# Allegro board MinnowMax_RevA1.brd (continued)
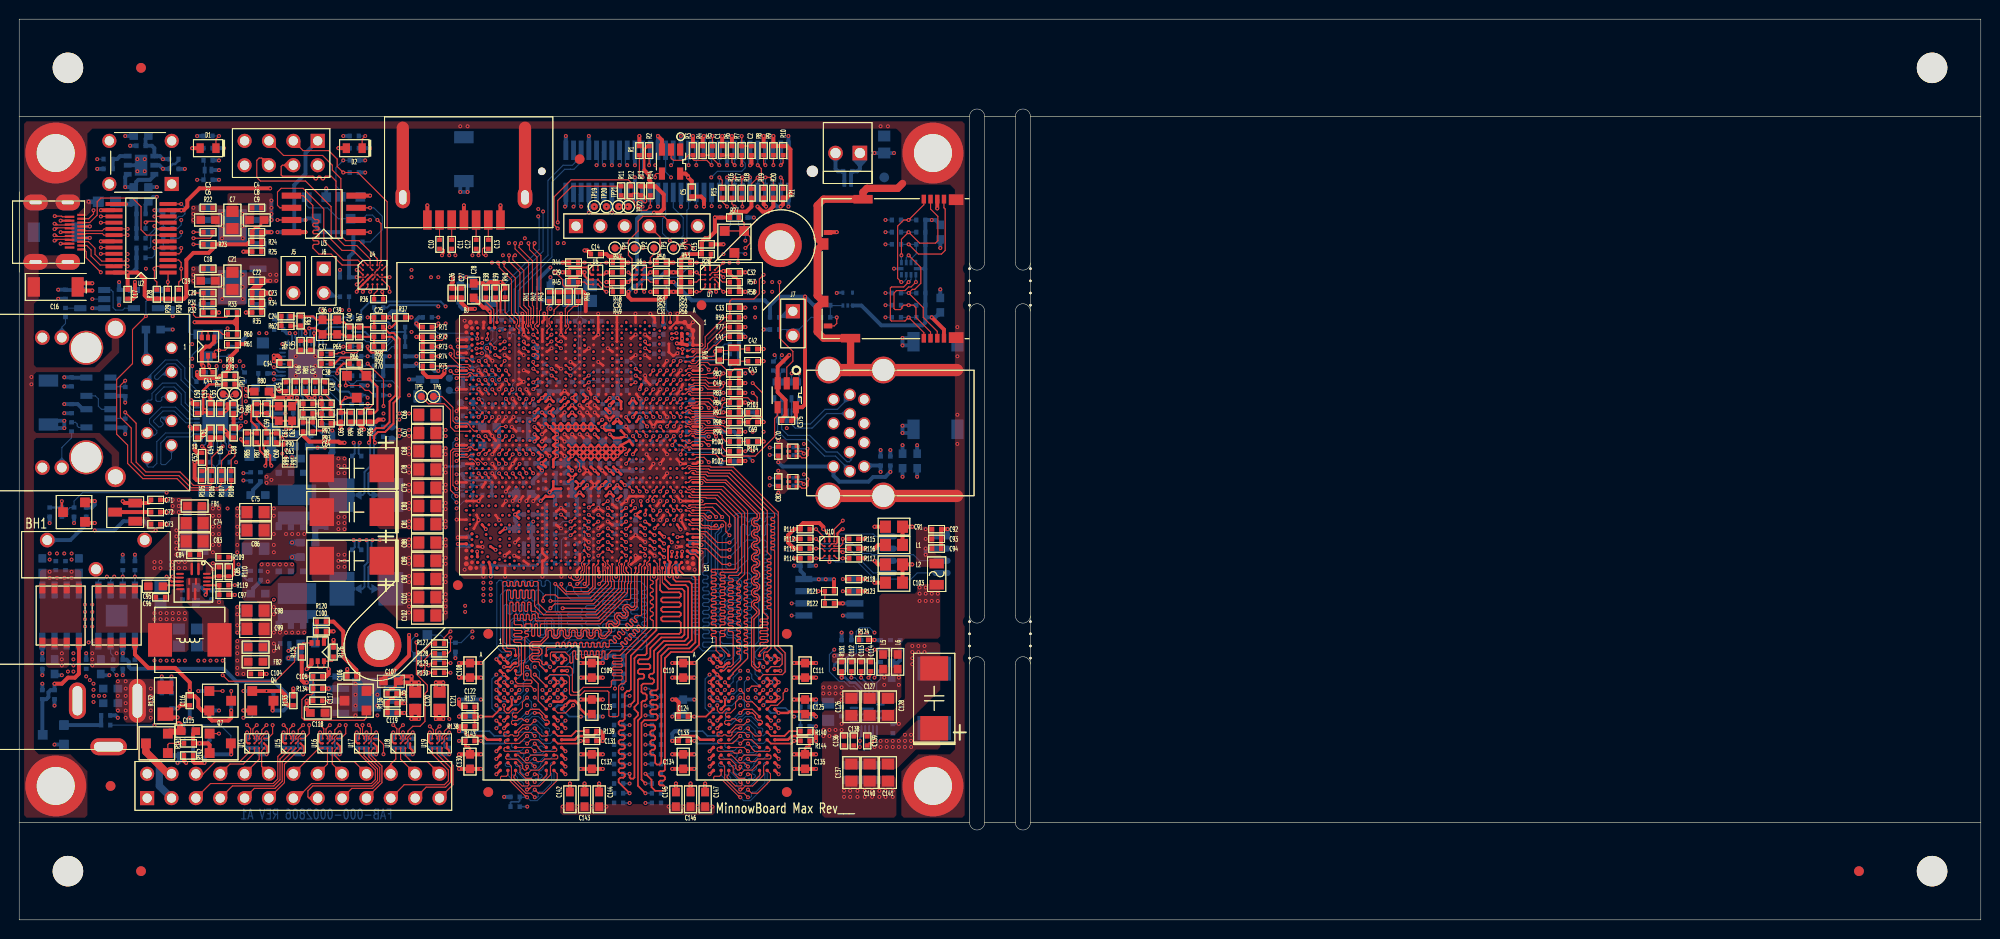
[diagram p0: board, top side]
## Copper pours and planes (outline as drawn; the poured copper is in the pictures) (continued)
+USBVCC on INT4(H): 94.74,41.4 83.82,41.4 83.57,41.15 83.57,39.37 83.82,39.12 93.22,39.12 93.47,38.86 93.47,38.1 93.73,37.85 94.74,37.85 95,38.1 95,41.15
+VCORE on TOP: 39.5,31.24 41.91,31.24 42.16,31.5 42.16,39.62 41.91,39.88 37.59,39.88 37.34,39.62 37.34,33.4
+VCORE on BOTTOM: 58.42,47.5 58.29,47.62 58.29,50.04 58.42,50.17 61.59,50.17 61.72,50.04 61.72,47.62 61.59,47.5 61.47,47.5 61.34,47.62 61.34,48.01 61.21,48.13 59.94,48.13 59.82,48.01 59.82,47.62 59.69,47.5
+VCORE on BOTTOM: 41.91,31.24 42.16,31.5 42.16,39.62 41.91,39.88 38.35,39.88 38.1,39.62 38.1,32.64 39.5,31.24
+VCORE on PWR5: 46.99,32 46.99,35.81 49.78,38.61 54.36,38.61 63.5,47.75 63.5,49.28 63.25,49.53 57.15,49.53 56.9,49.28 56.9,47.88 54.23,45.21 48.01,45.21 42.8,40.01 37.34,40.01 37.08,39.75 37.08,35.31 40.64,31.75 46.74,31.75
+VDIMM on TOP: 35.31,24.64 35.05,24.89 32.89,24.89 32.64,24.64 32.64,22.73 32.38,22.48 31.62,22.48 31.5,22.35 31.5,21.21 31.62,21.08 35.05,21.08 35.31,21.34
+VDIMM on TOP: 85.85,15.75 85.72,15.88 85.72,18.16 85.85,18.29 87.12,18.29 87.25,18.16 87.25,17.91 87.5,17.65 88.65,17.65 88.9,17.91 88.9,18.03 89.15,18.29 89.28,18.29 89.53,18.54 89.79,18.92 91.69,18.92 93.6,20.83 95.76,20.83 96.01,20.57 96.01,18.03 95.76,17.78 93.47,17.78 91.44,15.75
+VDIMM on BOTTOM: 96.01,18.03 95.76,17.78 93.47,17.78 91.44,15.75 89.03,15.75 88.9,15.88 88.9,16.64 88.35,17.18 88.35,18.81 88.49,18.95 88.49,20.07 88.72,20.04 88.72,18.59 88.98,18.34 89.31,18.34 89.51,18.54 89.51,18.8 89.64,18.92 91.44,18.92 93.34,20.83 95.76,20.83 96.01,20.57
+VDIMM on BOTTOM: 31.5,21.72 31.5,21.08 31.75,20.83 37.34,20.83 37.59,21.08 37.59,24.89 37.47,25.02 34.92,25.02 34.8,24.89 34.8,21.97 34.67,21.84 31.62,21.84
+VDIMM on INT3(V): 54.61,44.96 51.05,44.96 45.21,39.12 45.21,33.15 45.47,32.89 49.4,32.89 54.86,38.35 54.86,44.7
+VDIMM on PWR5: 91.19,10.67 91.44,10.92 91.44,15.75 93.47,17.78 96.77,17.78 97.03,18.03 97.03,30.23 96.77,30.48 80.26,30.48 79.76,30.99 79.76,42.67 79.76,46.99 79.5,47.24 63.75,47.24 54.61,38.1 50.04,38.1 47.5,35.56 47.5,31.75 46.99,31.24 45.21,31.24 44.96,30.99 44.96,20.57 44.58,20.19 38.23,20.19 37.85,20.57 37.85,24.64 37.59,24.89 29.97,24.89 29.72,24.64 29.72,10.67 ; 1 cut-out
+VDIMM_VTT on TOP: 72.26,12.06 72.52,11.81 72.52,11.18 72.26,10.92 56.64,10.92 56.39,11.18 56.39,11.81 56.64,12.06
+VDIMM_VTT on BOTTOM: 62.1,23.5 61.47,23.5 61.21,23.24 61.21,12.32 60.96,12.06 56.64,12.06 56.39,11.81 56.39,10.92 56.64,10.67 84.84,10.67 85.09,10.92 85.09,14.99 85.85,15.75 88.01,15.75 88.14,15.88 88.14,17.65 88.01,17.78 87.63,17.78 87.5,17.91 87.5,19.94 87.38,20.07 87.12,20.07 86.23,19.18 86.23,18.54 86.11,18.41 83.82,18.41 83.57,18.16 83.57,15.49 83.06,14.99 79.76,14.99 76.83,12.06 67.94,12.06 67.69,12.32 67.69,23.24 67.44,23.5 66.8,23.5 66.8,11.81 66.67,11.68 62.23,11.68 62.1,11.81
+VGFX on TOP: 37.59,40.77 41.91,40.77 42.16,41.02 42.16,53.09 42.04,53.21 41.15,53.09 41.15,50.67 40.39,50.67 39.75,50.04 38.23,50.04 37.34,49.15 37.34,41.02
+VGFX on BOTTOM: 38.35,40.77 41.91,40.77 42.16,41.02 42.16,49.15 41.91,49.4 38.35,49.4 38.1,49.15 38.1,41.02
+VGFX on PWR5: 56.39,48.13 56.39,49.4 56.9,49.91 60.2,49.91 60.45,50.17 60.45,52.83 60.2,53.09 56.9,53.09 56.26,52.45 40.64,52.45 37.08,48.89 37.08,40.77 37.34,40.51 42.55,40.51 47.75,45.72 53.98,45.72
AUGND2 on GND2: 96.77,48.01 97.03,48.26 97.03,55.25 96.77,55.5 83.69,55.5 83.44,55.25 83.44,48.26 83.69,48.01
AUGND2 on GND6: 96.77,48.01 97.03,48.26 97.03,55.25 96.77,55.5 83.69,55.5 83.44,55.25 83.44,48.26 83.69,48.01
D5_0V_HDMI on TOP: 7.02,73.44 7.49,73.91 7.49,75.06 7.37,75.18 6.99,75.18 6.86,75.06 6.86,74.42 6.22,73.79 6.22,73.44
DC_IN_1 on TOP: 14.22,24.89 15.75,24.89 16,24.64 16,23.88 15.75,23.62 14.22,23.62 13.97,23.37 13.97,20.83 13.72,20.57 11.18,20.57 10.92,20.83 10.92,21.46 10.79,21.59 10.29,21.59 10.03,21.84 10.03,24.89 10.29,25.15 13.97,25.15
DC_IN_1 on BOTTOM: 10.03,21.72 11.18,20.57 13.72,20.57 13.97,20.83 13.97,22.35 14.22,22.61 15.88,22.61 16.13,22.86 16.13,23.62 15.88,23.88 14.22,23.88 13.97,24.13 13.97,24.89 13.72,25.15 10.29,25.15 10.03,24.89
DC_IN_1 on PWR5: 10.29,25.15 13.72,25.15 13.97,24.89 13.97,20.83 13.72,20.57 10.29,20.57 10.03,20.83 10.03,24.89
DC_IN_1 on INT7(H), INT8(V): 10.03,24.89 10.29,25.15 13.72,25.15 13.97,24.89 13.97,20.83 13.72,20.57 11.18,20.57 10.03,21.72
DDP_1V8 on INT3(V) (solid shape): 32.55,81.4 32.59,81.28 32.55,81.16 31.85,80.54 31.06,81.28 31.85,82.02
DDR3L_VIN on TOP: 89.92,26.42 89.66,26.16 89.66,25.15 89.41,24.89 83.82,24.89 83.57,24.64 83.57,22.86 83.82,22.61 91.31,22.61 91.95,23.24 91.95,26.16 91.69,26.42
DDR3L_VIN on BOTTOM: 86.36,21.97 83.82,21.97 83.57,22.23 83.57,24.26 83.82,24.51 85.72,24.51 87,22.73 87.12,22.61 88.9,22.61 89.03,22.48 89.03,21.92 86.41,21.92
DDR3L_VIN on INT7(H), INT8(V): 89.92,26.42 89.66,26.16 89.66,25.15 89.41,24.89 83.82,24.89 83.57,24.64 83.57,22.86 83.82,22.61 91.57,22.61 91.95,22.99 91.95,26.16 91.69,26.42
DDR_PHASE on BOTTOM: 89.41,20.95 92.71,20.95 96.01,24.26 96.01,29.97 95.76,30.23 90.93,30.23 90.68,29.97 90.68,29.08 90.81,28.96 94.49,28.96 94.74,28.7 94.74,26.29 92.2,26.29 91.95,26.04 91.95,23.62 90.17,21.84 89.41,21.84
DDRAGND_SIGNAL on TOP: 84.84,27.81 84.71,27.69 84.71,26.92 84.84,26.8 88.9,26.8 89.03,26.92 89.03,27.69 88.9,27.81
FP_PWRBTN on INT3(V) (solid shape): 16.61,76.05 15.93,75.37 15.9,75.36 15.87,75.37 15.19,76.05 15.9,76.8
FP_PWRBTN on INT4(H) (solid shape): 17.31,76.82 17.32,76.78 17.31,76.75 16.64,76.08 15.89,76.78 16.64,77.49
PHASE1 on BOTTOM: 25.4,33.66 25.4,34.42 26.16,34.42 26.8,35.05 31.11,35.05 32.13,36.07 33.78,36.07 34.04,35.81 34.04,31.75 33.78,31.5 32,31.5 31.75,31.75 31.75,32.39 31.11,33.02 26.92,33.02 26.67,33.27 25.78,33.27
PHASEG on BOTTOM: 25.4,43.94 25.4,44.7 26.16,44.7 26.8,45.34 31.11,45.34 31.62,45.85 33.78,45.85 34.04,45.59 34.04,42.93 33.78,42.67 32.51,42.67 32.26,42.42 32.26,41.91 31.88,41.78 31.75,41.91 31.75,42.67 31.11,43.31 26.92,43.31 26.29,43.94
PS3VSB_PHASE on TOP: 17.53,35.69 17.4,35.56 17.4,33.15 19.05,31.5 19.05,28.19 19.3,27.94 21.59,27.94 21.84,28.19 21.84,32.39 21.34,32.89 21.34,33.27 21.21,33.4 19.43,33.4 18.92,33.91 18.92,35.56 18.8,35.69
PS5VSB_VIN on TOP: 19.05,36.45 19.18,36.58 19.18,37.21 19.68,37.72 20.95,37.72 21.08,37.85 21.08,43.31 20.95,43.43 18.67,43.43 18.54,43.31 18.54,36.58 18.67,36.45
PS5VSB_VIN on BOTTOM: 20.83,43.18 21.08,42.93 21.08,37.97 20.83,37.72 18.92,37.72 18.67,37.97 18.67,42.93 18.92,43.18
REGOUT on BOTTOM: 23.88,50.04 22.99,50.04 22.86,50.17 22.86,50.67 22.76,50.77 22.45,50.77 22.42,50.8 22.23,50.8 22.1,50.67 22.1,49.78 22.35,49.53 22.35,48.89 22.99,48.26 23.88,48.26 24.13,48.51 24.13,49.78
N22512410 on BOTTOM: 7.37,24.26 6.48,25.15 5.08,25.15 4.83,25.4 4.83,28.32 3.68,28.32 3.43,28.57 3.43,29.59 3.68,29.84 6.22,29.84 6.48,29.59 6.48,26.67 6.73,26.42 6.99,26.42 7.24,26.16 7.24,25.65 8,24.89 8.89,24.89 9.14,24.64 9.14,22.61 8.89,22.35 7.62,22.35 7.37,22.61
N22512410 on INT3(V): 9.14,22.61 8.89,22.35 7.24,22.35 6.99,22.61 6.48,24.77 5.08,24.77 4.83,25.02 4.83,27.94 5.08,28.19 6.1,28.19 7.37,26.92 8.89,26.92 9.14,26.67
N22512410 on INT7(H), INT8(V): 6.99,22.61 7.24,22.35 8.89,22.35 9.14,22.61 9.14,27.43 8.89,27.69 6.6,27.69 6.1,28.19 5.08,28.19 4.83,27.94 4.83,25.02 5.08,24.77 6.48,24.77 6.99,24.26
N22695002 on BOTTOM: 89.29,19.29 89.41,19.18 91.19,19.18 91.31,19.3 91.31,19.69 91.19,19.81 90.68,19.81 90.42,20.07 89.41,20.07 89.29,19.95
N22695050 on BOTTOM: 89.79,22.35 90.17,22.35 91.31,23.5 91.31,25.4 91.19,25.53 90.68,25.53 90.55,25.4 90.55,23.75 89.66,22.86 89.66,22.48
+VBAT on BOTTOM (solid shape): 3.85,39.77 3.91,39.62 3.85,39.48 3.46,39.09 2.87,39.62 3.46,40.16
+VBAT on INT7(H) (solid shape): 3.85,39.77 3.91,39.62 3.85,39.48 3.46,39.09 2.87,39.62 3.46,40.16
+VBAT on INT7(H) (solid shape): 13.13,39.62 12.54,39.09 12.15,39.48 12.09,39.62 12.15,39.77 12.54,40.16
GND on BOTTOM (solid shape): 85.63,79.47 85.23,79.08 85.09,79.02 84.95,79.08 84.55,79.47 85.09,80.06
DDP_SPI_CLK on TOP (solid shape): 28.59,78.74 28.05,78.22 27.57,78.7 27.56,78.74 27.57,78.78 28.05,79.26
LED_LEFT on BOTTOM (solid shape): 4.4,61.79 4.45,61.81 4.49,61.79 4.98,61.3 4.45,60.74 3.91,61.3
LED_RIGHT on BOTTOM (solid shape): 4.4,48.23 4.45,48.25 4.49,48.23 4.98,47.73 4.45,47.18 3.91,47.73
PWM0 on TOP (solid shape): 38.69,16.24 38.73,16.26 38.78,16.24 39.26,15.76 38.73,15.23 38.21,15.76
SATA_LED_R on BOTTOM (solid shape): 33.06,65.06 33.07,65.01 33.02,64.97 32.24,64.88 31.74,65.41 32.27,65.85
SD3_PU on BOTTOM (solid shape): 80.66,63.51 79.96,62.78 79.27,62.81 79.22,62.84 79.23,62.9 79.91,63.58
SD3_WP on INT4(H) (solid shape): 80.66,60.96 80.12,60.44 79.64,60.92 79.62,60.96 79.64,61 80.12,61.48

Small or netless copper shapes (teardrops, artwork), in the pictures only: 664 on TOP, 437 on BOTTOM, 192 on INT3(V), 124 on INT4(H), 145 on INT7(H), 182 on INT8(V)

## Text on the board
BOTTOM: FAB-000-0002806 REV A1 | LAYER 10 | SOLDER
Board Geometry/Soldermask Bottom: SMS
Ref Des/Silkscreen Bottom: BSLK
User.Comments: 9  ALL VIAS UNDER BGA'S, L12, L15, L16 AND CONNECTORS SHALL BE | FILLED WITH EPOXY.
TOP: LAYER 1 | COMPONENT
Board Geometry/Soldermask Top: SMC
Ref Des/Silkscreen Top: MinnowBoard Max Rev___ | TSLK
GND2: LAYER 2 | GND1
INT3(V): LAYER 3 | SIGNAL
INT4(H): LAYER 4 | SIGNAL
PWR5: LAYER 5 | PWR1
GND6: LAYER 6 | GND2
INT7(H): LAYER 7 | SIGNAL
INT8(V): LAYER 8 | SIGNAL
GND9: LAYER 9 | GND3
DISPLAY_TOP: SPC
DIMENSION: SEE DETAIL "B" | SCORE LINE | SEE DETAIL "A"
USER_PART_NUM_TOP: TSLKC
USER_PART_NUM_BOTTOM: BSLKC
DISPLAY_BOTTOM: SPS
User.15: This work is licensed under the Creative Commons Attribution-Share | Alike 3.0 Unported License.  To view a copy of this license, visit | http://creativecommons.org/licenses/by-sa/3.0/ or send a letter to | Creative Commons, 171 Second Street, Suite 300, San Francisco, | California, 94105, USA. | All derivative works are to be attributed to CicrcuitCo LLC. | For more information, see | http://creativecommons.org/license/results-one?license_code=by-sa | 000-0002806 REV A1 | LICENSE CC-BY-SA | DATE | DESIGN ENGR | PROJECT ENGR | ENGR MGR | NEXT ASSEMBLY | APPROVED | CHECKED | DRAFTING | ENGR | NONE | 1 OF 1
User.16: C16 | U11 | 18 | 2 | 1 | 19 | U12 | U2 | Q6 | C95 | C96 | C71 | C72 | C73 | C84 | C19 | C115 | L3 | C20 | R31 | R32 | 10 | D1 | C3 | C6 | R22 | C18 | Q1 | C44 | U13 | FB1 | C74 | C83 | D6 | Q7 | R23 | R78 | R79 | C7 | C21 | R33 | R109 | R119 | C97 | 7 | 8 | R60 | R61 | C75 | C86 | C4 | C8 | C9 | C22 | R35 | R80 | C34 | R24 | R25 | C23 | R34 | C24 | R62 | Q4 | C104 | L4 | FB2 | C98 | C99 | R90 | C63 | J5 | Q3 | C105 | R134 | C118 | R120 | C100 | C36 | C37 | U3 | J6 | C38 | R92 | R93 | C64 | C39 | R65 | D2 | A | E | R66 | Q5 | R36 | U4 | C25 | R68 | R69 | R70 | D4 | 5 | C107 | C119 | R37 | TP5 | R127 | R128 | R129 | R130 | TP6 | 26 | 25 | R71 | R72 | R73 | R74 | R75 | R138 | BJ | C122 | R137 | R143 | R44 | C29 | R45 | C143 | C14 | U5 | C109 | C123 | C132 | R139 | C131 | R47 | R48 | C30 | R49 | U6 | R50 | R51 | R52 | C31 | C110 | C134 | U1 | R54 | R55 | R56 | C124 | C133 | R53 | C146 | R26 | 53 | U7 | R82 | C49 | R83 | R84 | R97 | R98 | R99 | R100 | R101 | R102 | C33 | R59 | R77 | C41 | D3 | R27 | C32 | R57 | R58 | C42 | C43 | R103 | C69 | R104 | U39 | R111 | R112 | R113 | R114 | J7 | U8 | U9 | R121 | R122 | C111 | C125 | C135 | R140 | R144 | U10 | 13 | 9 | C138 | R124 | 4 | R115 | R116 | R117 | R118 | R123 | C127 | C140 | C141 | C91 | L1 | L2 | C103 | C92 | C93 | C94 | C169 | C211 | L11 | U22 | R155 | R156 | R157 | R174 | R180 | R173 | U32 | R175 | R176 | R181 | R158 | R159 | R160 | C153 | U23 | D7 | R294 | U33 | R182 | R354 | R326 | C329 | R310 | R325 | C287 | 60 | 59 | U29 | CHOKE3 | CHOKE4 | R183 | R184 | R161 | TP14 | D10 | TP15 | R185 | R186 | R187 | R208 | R209 | R210 | R211 | R233 | R234 | R235 | R253 | R254 | R162 | C369 | R327 | TP7 | TP10 | R236 | R237 | R238 | R255 | C370 | C289 | C212 | R256 | R311 | R312 | R313 | R314 | R328 | R329 | R341 | R342 | R343 | R344 | R349 | R350 | R257 | C254 | C255 | C193 | C171 | C172 | C173 | C174 | C213 | C214 | C236 | C320 | C331 | R315 | R316 | R317 | R318 | R330 | R331 | R345 | R346 | R347 | R348 | R351 | R352 | R212 | R213 | C194 | C195 | C256 | R177 | C216 | C237 | C257 | R214 | R215 | C196 | C238 | C371 | C175 | C239 | C258 | C259 | C260 | C332 | C345 | C290 | R280 | R281 | C218 | C372 | Y2 | R188 | C262 | C263 | C241 | C261 | C274 | C219 | C176 | C242 | TP24 | TP23 | C221 | C264 | R273 | R274 | C275 | R282 | R283 | R284 | R265 | C265 | C244 | C374 | R353 | R239 | C266 | C267 | C276 | C291 | C292 | R240 | C222 | C223 | C245 | C246 | R275 | FB7 | C247 | R241 | R266 | R267 | C293 | R189 | R219 | R220 | R221 | TP11 | R332 | R242 | R258 | R259 | R260 | R268 | R269 | R270 | TP12 | TP8 | TP9 | C334 | R190 | R191 | R192 | C182 | C183 | C200 | D12 | C184 | R193 | R194 | C185 | R195 | C202 | L9 | L10 | R224 | R225 | R226 | R178 | C186 | C187 | R196 | C188 | R197 | R223 | R243 | R261 | C149 | R147 | R152 | R199 | R200 | R201 | R227 | U38 | R262 | R285 | R146 | D8 | R246 | C165 | R179 | R163 | R164 | R228 | C203 | R229 | U27 | 40 | C228 | R202 | C251 | C336 | Q8 | R203 | R297 | R249 | R306 | R319 | R320 | C190 | R165 | C160 | R277 | R286 | R204 | C229 | U31 | C311 | R230 | Q10 | C204 | R290 | U21 | U24 | C252 | C305 | C312 | C313 | C280 | C281 | C297 | R148 | C150 | R149 | C154 | D9 | Q11 | Q12 | C314 | D11 | R264 | C315 | FB11 | C298 | R150 | R153 | C253 | R340 | C358 | C367 | C155 | R166 | R167 | R232 | C316 | R168 | C156 | C157 | C317 | C152 | C283 | C284 | Q13 | FB6 | U25 | C151 | Q9 | U20 | R154 | R169 | R170 | R171 | R172 | C340 | R323 | C167 | L12 | U28 | U30 | L7 | R151 | C158 | U26 | C210 | C232 | R252 | C161 | Q14 | D5 | Q2 | C17 | R28 | R132 | R29 | R141 | R30 | C116 | C52 | C50 | R142 | R105 | C51 | C53 | C54 | R106 | C55 | TP18 | C56 | R107 | R108 | C58 | C85 | C57 | U14 | TP17 | R110 | R85 | R86 | R87 | C59 | R88 | C60 | U15 | C45 | R64 | C61 | R133 | R89 | C35 | C62 | R91 | R125 | C46 | C76 | C77 | C87 | R81 | R63 | C47 | U16 | C117 | C48 | C106 | C65 | R126 | C40 | R94 | U17 | R67 | R95 | R96 | R136 | U18 | R135 | C66 | C67 | C68 | C78 | C79 | C80 | C81 | C88 | C89 | C90 | C101 | C102 | U19 | C120 | C10 | C26 | C121 | C108 | C130 | C11 | C27 | C12 | C28 | R38 | R39 | C13 | R40 | R41 | R42 | R43 | C142 | R46 | TP19 | TP20 | C144 | TP21 | R11 | TP1 | R1 | R12 | TP22 | R13 | TP2 | R2 | R14 | TP3 | C145 | C5 | TP4 | R3 | C15 | R4 | R76 | R5 | Y1 | R15 | C147 | C1 | R6 | R16 | R7 | R17 | R18 | C2 | R8 | R19 | R9 | R20 | C70 | C82 | R10 | R21 | C375 | C136 | C126 | C137 | R131 | C112 | C113 | C114 | C139 | L5 | L6 | C128 | F1 | C129 | C159 | C162 | FB9 | FB10 | R298 | C309 | C342 | U37 | C234 | R292 | C359 | C235 | C310 | R299 | C360 | R145 | R300 | R293 | R301 | C361 | R302 | C343 | C362 | R303 | C327 | FB12 | C328 | C318 | C363 | CHOKE1 | C191 | CHOKE2 | C192 | C368 | C288 | C170 | C319 | C330 | C364 | C344 | C271 | R304 | R305 | C272 | C273 | C215 | C321 | C217 | R216 | C365 | C197 | C220 | C240 | C198 | C373 | FB3 | C243 | C163 | R217 | C199 | R218 | C177 | C178 | C179 | C180 | C164 | C148 | R333 | C181 | C277 | FB4 | R295 | FB5 | C366 | C322 | C333 | R334 | C346 | C347 | C335 | R335 | R222 | C201 | C224 | C225 | C248 | C249 | C268 | C269 | C278 | C279 | C294 | C295 | C303 | C304 | C348 | TP13 | TP16 | C349 | R244 | R336 | R245 | SP1 | SP3 | C226 | C350 | R198 | SP2 | SP4 | C189 | C351 | R337 | C227 | C352 | R296 | R263 | R276 | U34 | R247 | C353 | R248 | R338 | C354 | R250 | R321 | C250 | C355 | R251 | C270 | C296 | R339 | C356 | R205 | C357 | C230 | FB8 | C205 | R272 | R287 | R271 | L8 | R206 | C206 | C207 | C208 | C306 | R231 | R322 | R291 | Y3 | LAN1 | C307 | C166 | C337 | C338 | C308 | C282 | R307 | C339 | C323 | U35 | R288 | R308 | C209 | C231 | R289 | L13 | C324 | R278 | C299 | C325 | C285 | C300 | C326 | R279 | R324 | C301 | C168 | R207 | C286 | R309 | C341 | C302 | C233 | U36 | MinnowBoard Max Rev___ | J9 | P1 | BH1 | J8 | JP1 | SW1 | J1 | J3 | MEM1 | J4 | 6 | MEM2 | J2 | P2 | USB1 | MEM3 | MEM4 | J10 | CPU1 | This work is licensed under the Creative Commons Attribution-Share | Alike 3.0 Unported License. To view a copy of this license, visit | http://creativecommons.org/licenses/by-sa/3.0/ or send a letter to | Creative Commons, 171 Second Street, Suite 300, San Francisco, | California, 94105, USA. | All derivative works are to be attributed to CircuitCo LLC. | For more information, see | http://creativecommons.org/license/results-one?license_code=by-sa | 998-0004207 REV A1 | LICENSE CC-BY-SA | DATE | DESIGN ENGR | PROJECT ENGR | ENGR MGR | NEXT ASSEMBLY | APPROVED | CHECKED | DRAFTING | ENGR | 1 OF 1 | + | Top Side View | Bottom Side View
User.17: NONE
User.19: EXTERNAL IMPEDANCE (LAYERS 1 & 10) | (0.673 mil) | PRPREG (2.919 mil) | CORE   (4.858 mil) | PRPREG (12.183 mil) | PRPREG (9.533 mil) | FINISHED PCB THICKNESS TO BE 63 +8/-5 mil | INTERNAL IMPEDANCE | SINGLE ENDED  40.0 OHM - 6.8 MIL | SINGLE ENDED  45.0 OHM - 5.5 MIL | SINGLE ENDED  50.0 OHM - 4 5 MIL | DIFF 85  OHM 4.7 MIL WIDTH/5.3  MIL SPACE | DIFF 90  OHM 5.0 MIL WIDTH/12.0 MIL SPACE | DIFF 100 OHM 4.0 MIL WIDTH/12.0 MIL SPACE | FINISHED AS SMOOTH WALL BY VENDOR. | PROCESS NOTES: | 2. APPLY LPI SOLDERMASK OVER BARE COPPER (SMOBC), | COLOR: BLUE. SOLDERMASK SHALL CONFIRM TO IPC-SM-840. | CLASS H. CURRENT REV. | 3. SOLDERMASK ARTWORK HAS ZERO (0) OVERSIZED PADS. | FABRICATION VENDOR IS ALLOWED TO ADJUST THE COMPONENT | SOLDERMASK PADS TO MEET THEIR TOOLING REQUIREMENTS. | 4. APPLY LPI SILKSCREEN OR EQUIVALENT PER THE ARTWORK. | COLOR: WHITE. | 1. PLATE ALL EXPOSED AREAS WITH ELECTROLESS | IMMERSION GOLD, NICKEL 150 MICROINCHES THK MIN. | GOLD 2 MICROINCHES THK MIN. | SUPPLIED IPC-D-356 NETLIST. | 1. ALL DIMENSIONS ARE IN INCHES, UNLESS | OTHERWISE NOTED. | 2. THE PWB SHALL BE FABRICATED TO IPC-6012, | CLASS 2 AND WORKMANSHIP SHALL CONFORM TO | IPC-A-600, CLASS 2. CURRENT REVISIONS. | 3. BOARD MATERIAL SHALL BE 180 Tg/350 Td ISOLA FR-370HR | OR EQUIVALENT, RoHS COMPLIANT AND LEAD FREE | ASSEMBLY CAPABLE.  BOARD MATERIAL SHALL | MEET OR EXCEED IPC-4101B. COLOR: NATURAL. | 4. BOARD MATERIAL & CONSTRUCTION TO BE U.L. | APPROVED AND MARKED ON THE FINISHED BOARD. | 5. MINIMUM COPPER WALL THICKNESS OF PLATED-THRU | HOLES TO BE .001 INCH, WITH A MINIMUM | ANNULAR RING OF .002 INCH. | 6. OVERALL BOARD THICKNESS TO BE .063+8/-5 mil. | AND APPLIES AFTER ALL LAMINATION AND PLATING | PROCESSES, MEASURED FROM COPPER TO COPPER. | 7. MAX. WARP & TWIST TO BE .0075 INCHES PER INCH. | 8. BOARD MUST BE ELECTRICALLY TESTED USING | FAB NOTES: | SINGLE ENDED  40.0 OHM - 6.2 MIL LAYERS 3,4,7,8 | SINGLE ENDED  45.0 OHM - 5.0 MIL LAYERS 3,4,7,8 | SINGLE ENDED  50.0 OHM - 4.0 MIL LAYERS 3,4,7,8 | DIFF 85  OHM 4.5 MIL WIDTH/5.0  MIL SPACE LAYERS 3,4,7,8 | DIFF 90  OHM 4.5 MIL WIDTH/10.0 MIL SPACE LAYERS 3,4,7,8 | DIFF 100 OHM 3.9 MIL WIDTH/12.0 MIL SPACE LAYERS 3,4,7,8 | LAYER 1-SIGNAL -0.5 Oz.Cu + PLATING | LAYER 2-GND PLANE -1.0 Oz.Cu. | LAYER 5-PWR PLANE -1.0 Oz.Cu. | LAYER 8-SIGNAL-0.5 Oz.Cu | LAYER 10-SIGNAL -0.5 Oz.Cu + PLATING | LAYER 3-SIGNAL -0.5 Oz.Cu. | LAYER 4-SIGNAL -0.5 Oz.Cu. | LAYER 7-SIGNAL -0.5 Oz.Cu. | LAYER 9-GND PLANE -1.0 Oz.Cu. | LAYER 6-GND PLANE -1.0 Oz.Cu. | SCALE=NONE | o | LAYER STACKUP
User.41: 8.0 | 36.0 | 38.0 | 40.0 | 42.0 | 62.0 | 91.0 | 125.0 | 156.0 | 20.0 | 31.0 | 43.0 | 46.0 | 122.0 | 50.0x15.0 | 59.0x31.0 | 120.0x40.0 | 40.0x120.0 | 140.0x40.0 | DRILL CHART: TOP to BOTTOM | +3.0/-3.0 | +5.0/-5.0 | +4.0/-4.0 | PLATED | NON-PLATED | 1873 | 23 | 50 | 7 | 2 | 4 | 8 | 1 | FIGURE | SIZE | ALL UNITS ARE IN MILS | TOLERANCE | QTY
